# Altium PCB vme64x6U_ctrlc.PcbDoc (part 1 of 16)
Units mm, origin at the board's own origin, x right, y up, seen from the top; angles counter-clockwise.
Board outline 440 x 340 mm, 6 copper layers (TopLayer, PlaneGnd, PlanePwr, MidLayer3, MidLayer4, BottomLayer); 407 components, 1301 nets, 2174 pads, 980 vias.
Unrouted connection lines stored in the file: 264.
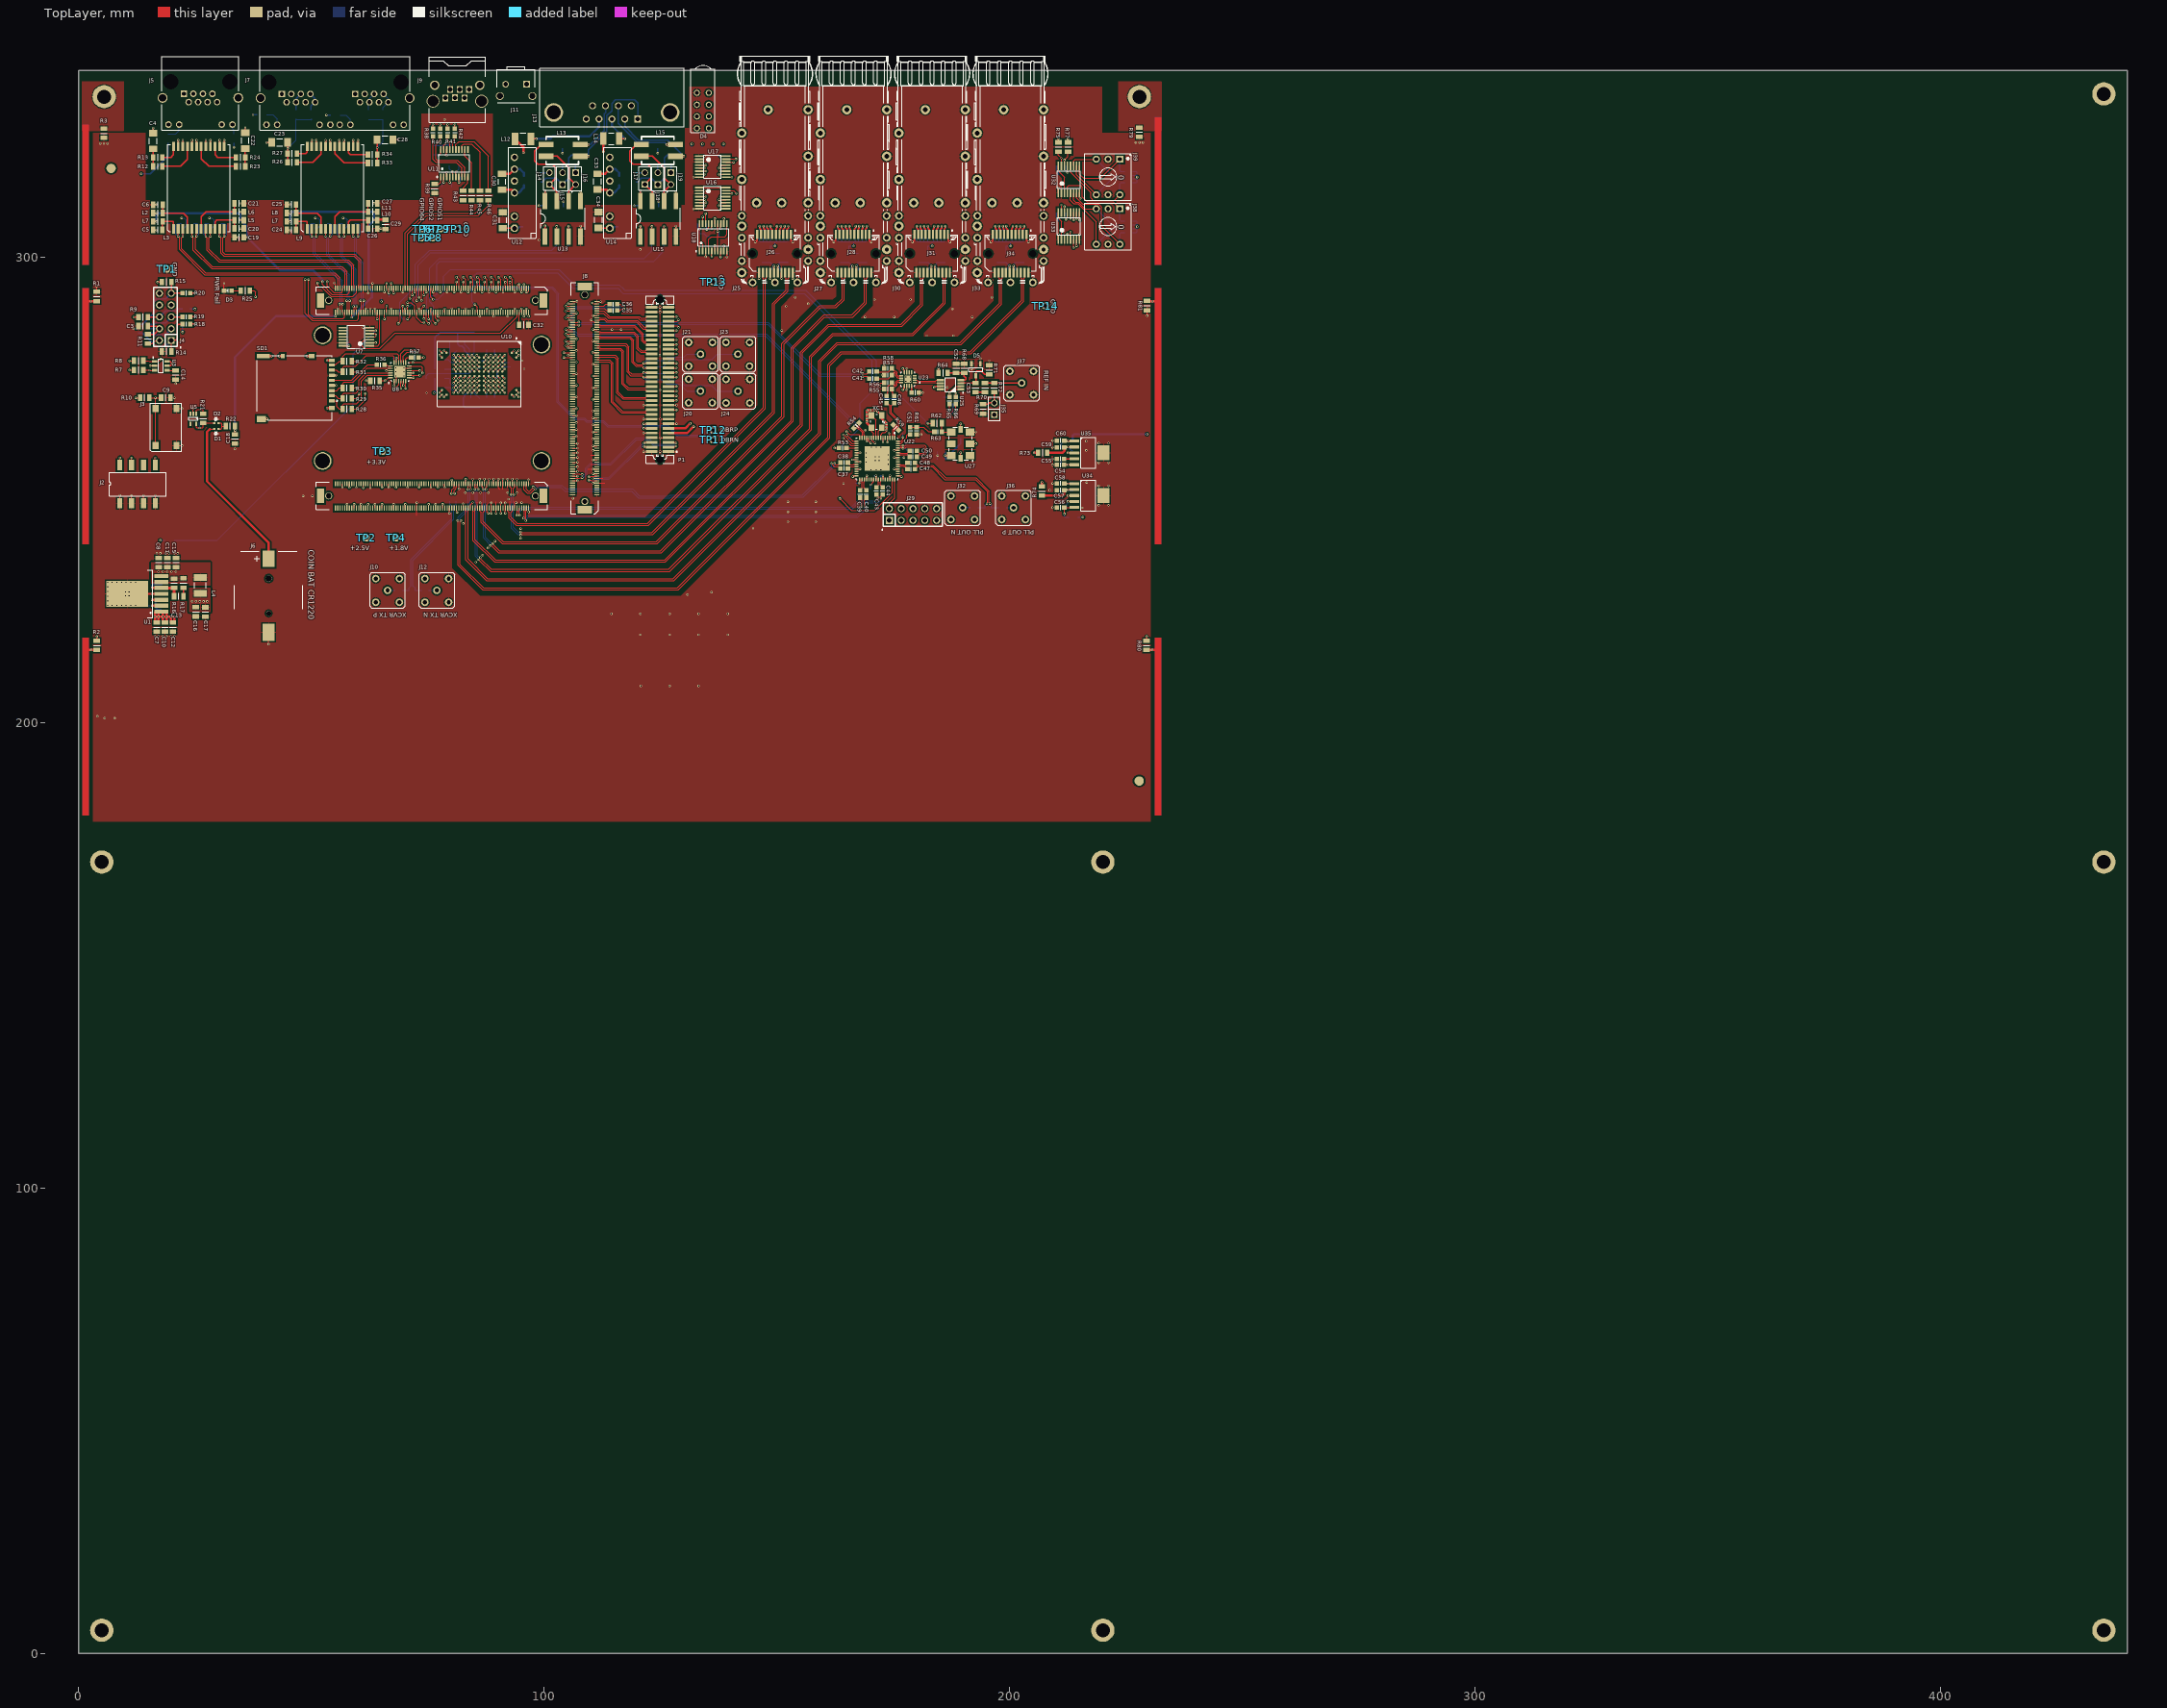
[diagram p0: TopLayer view]
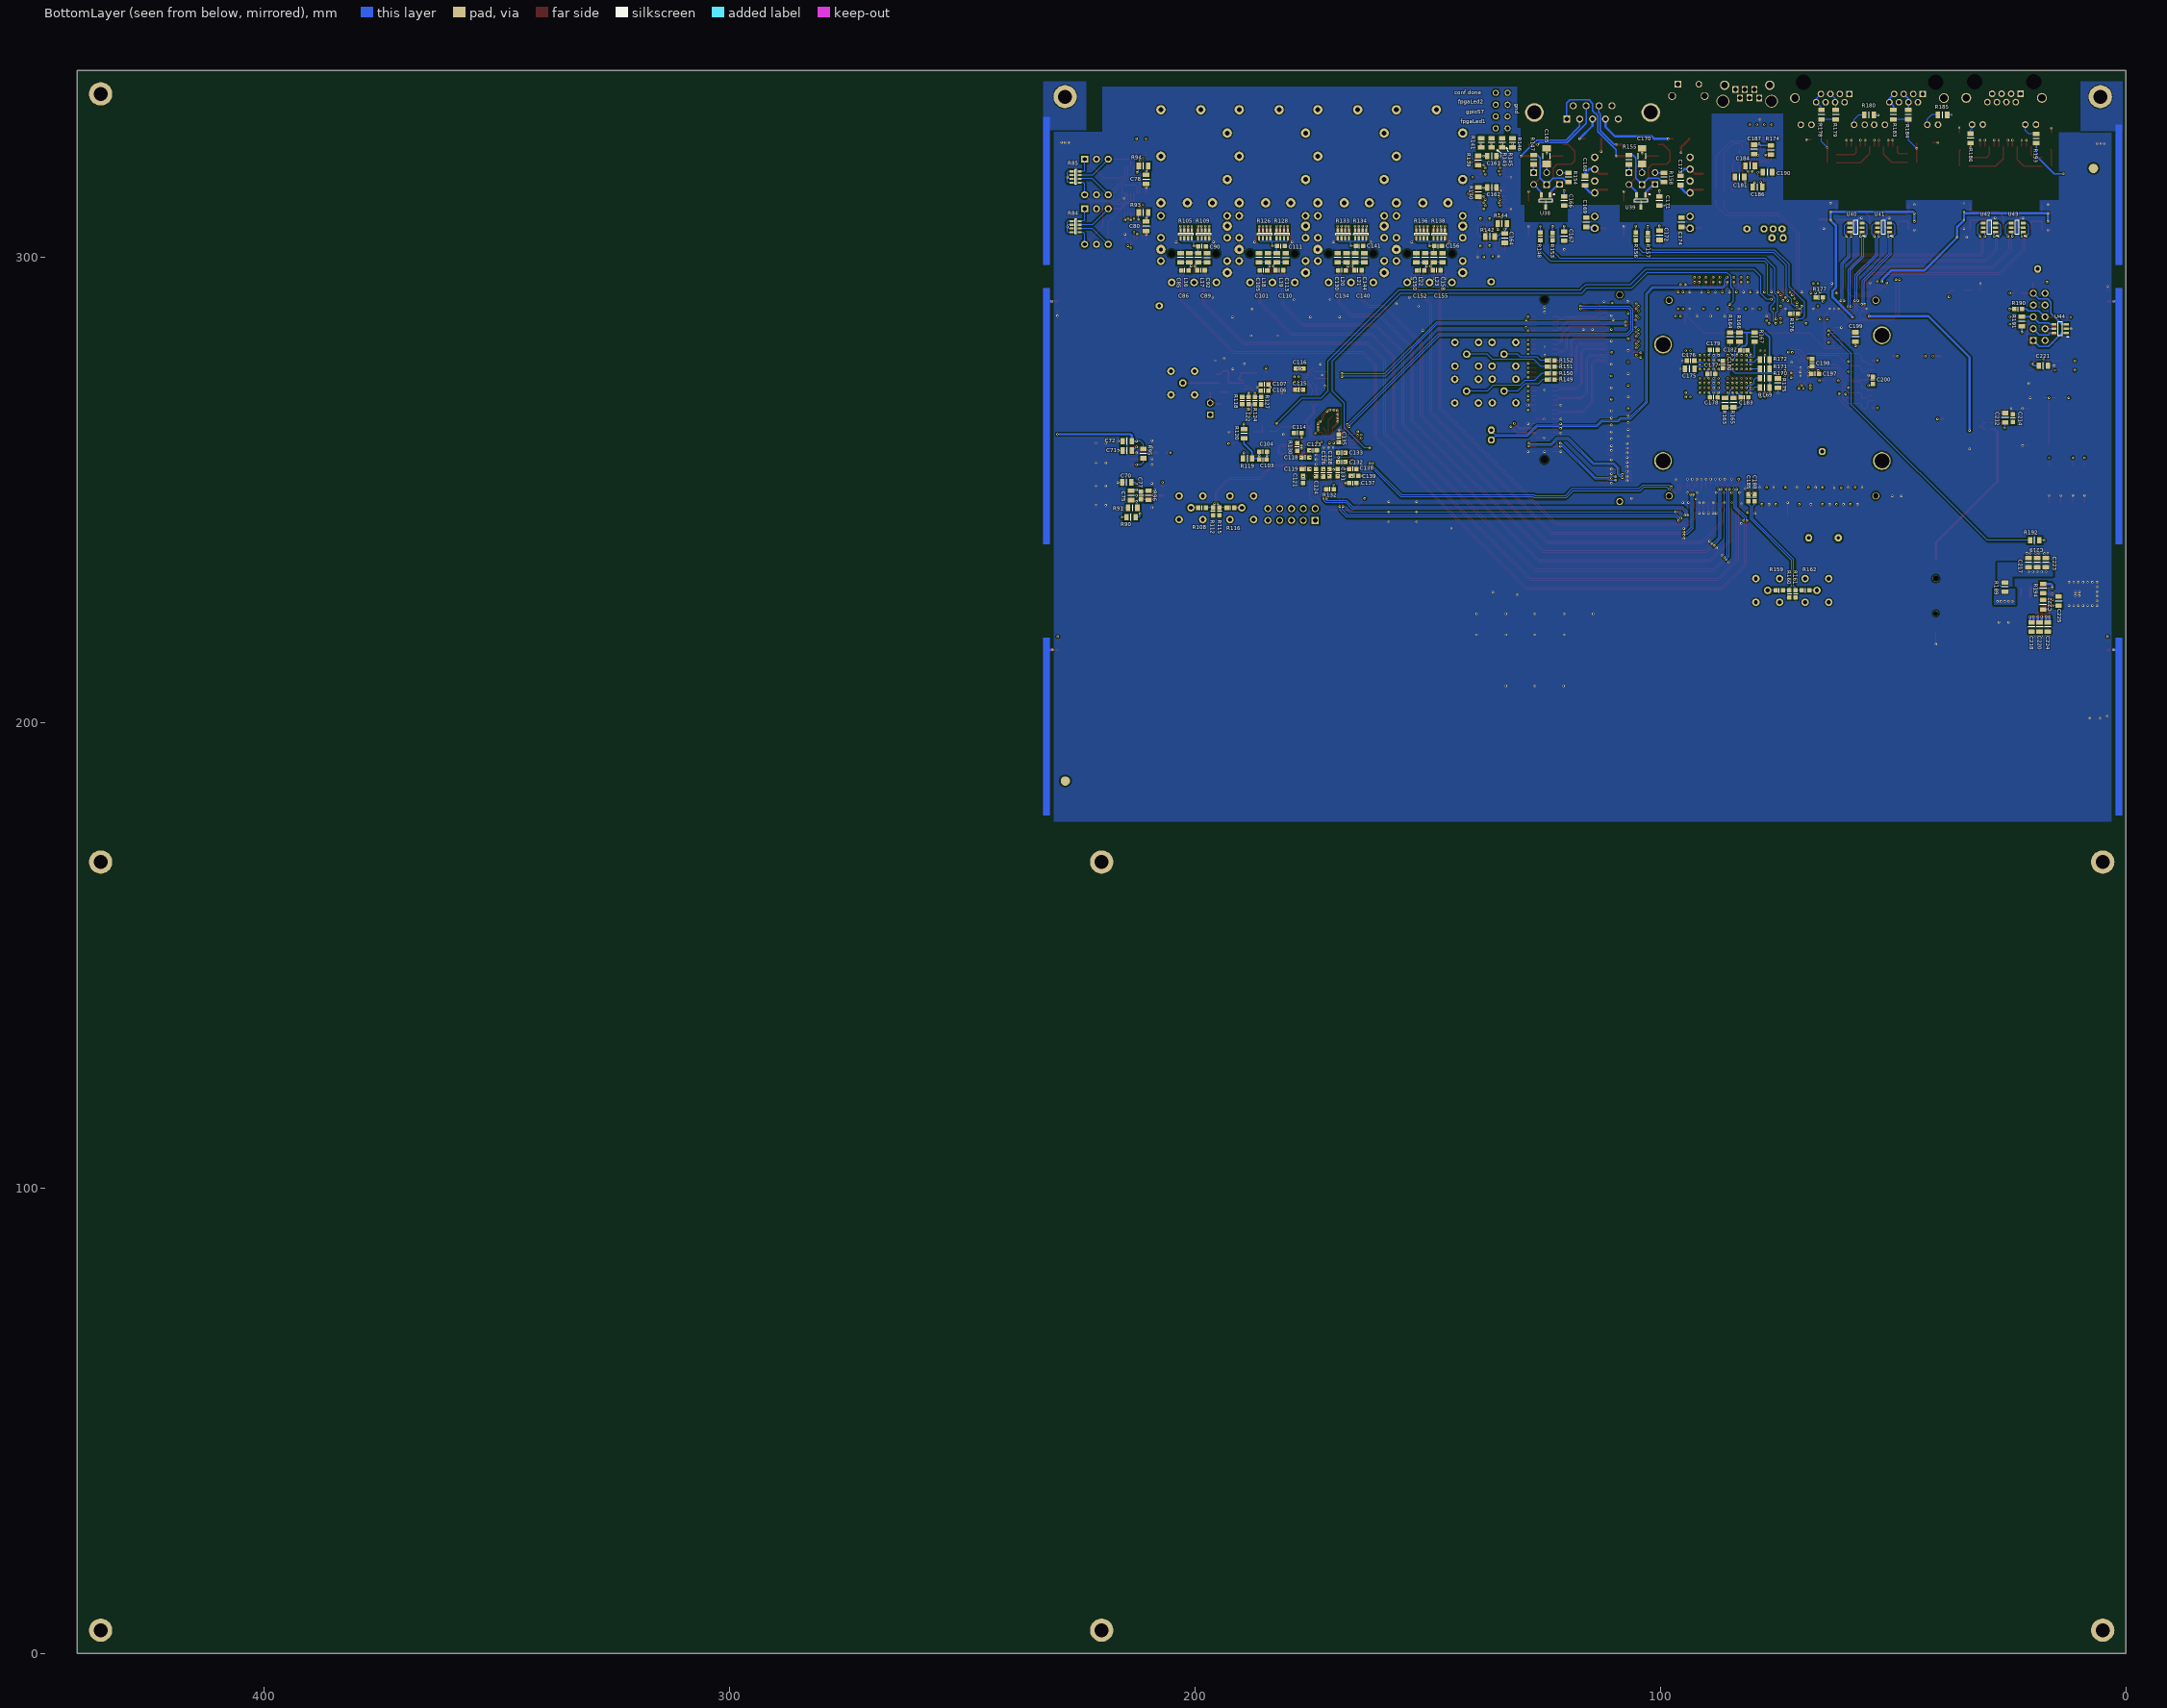
[diagram p1: BottomLayer view, seen from below]
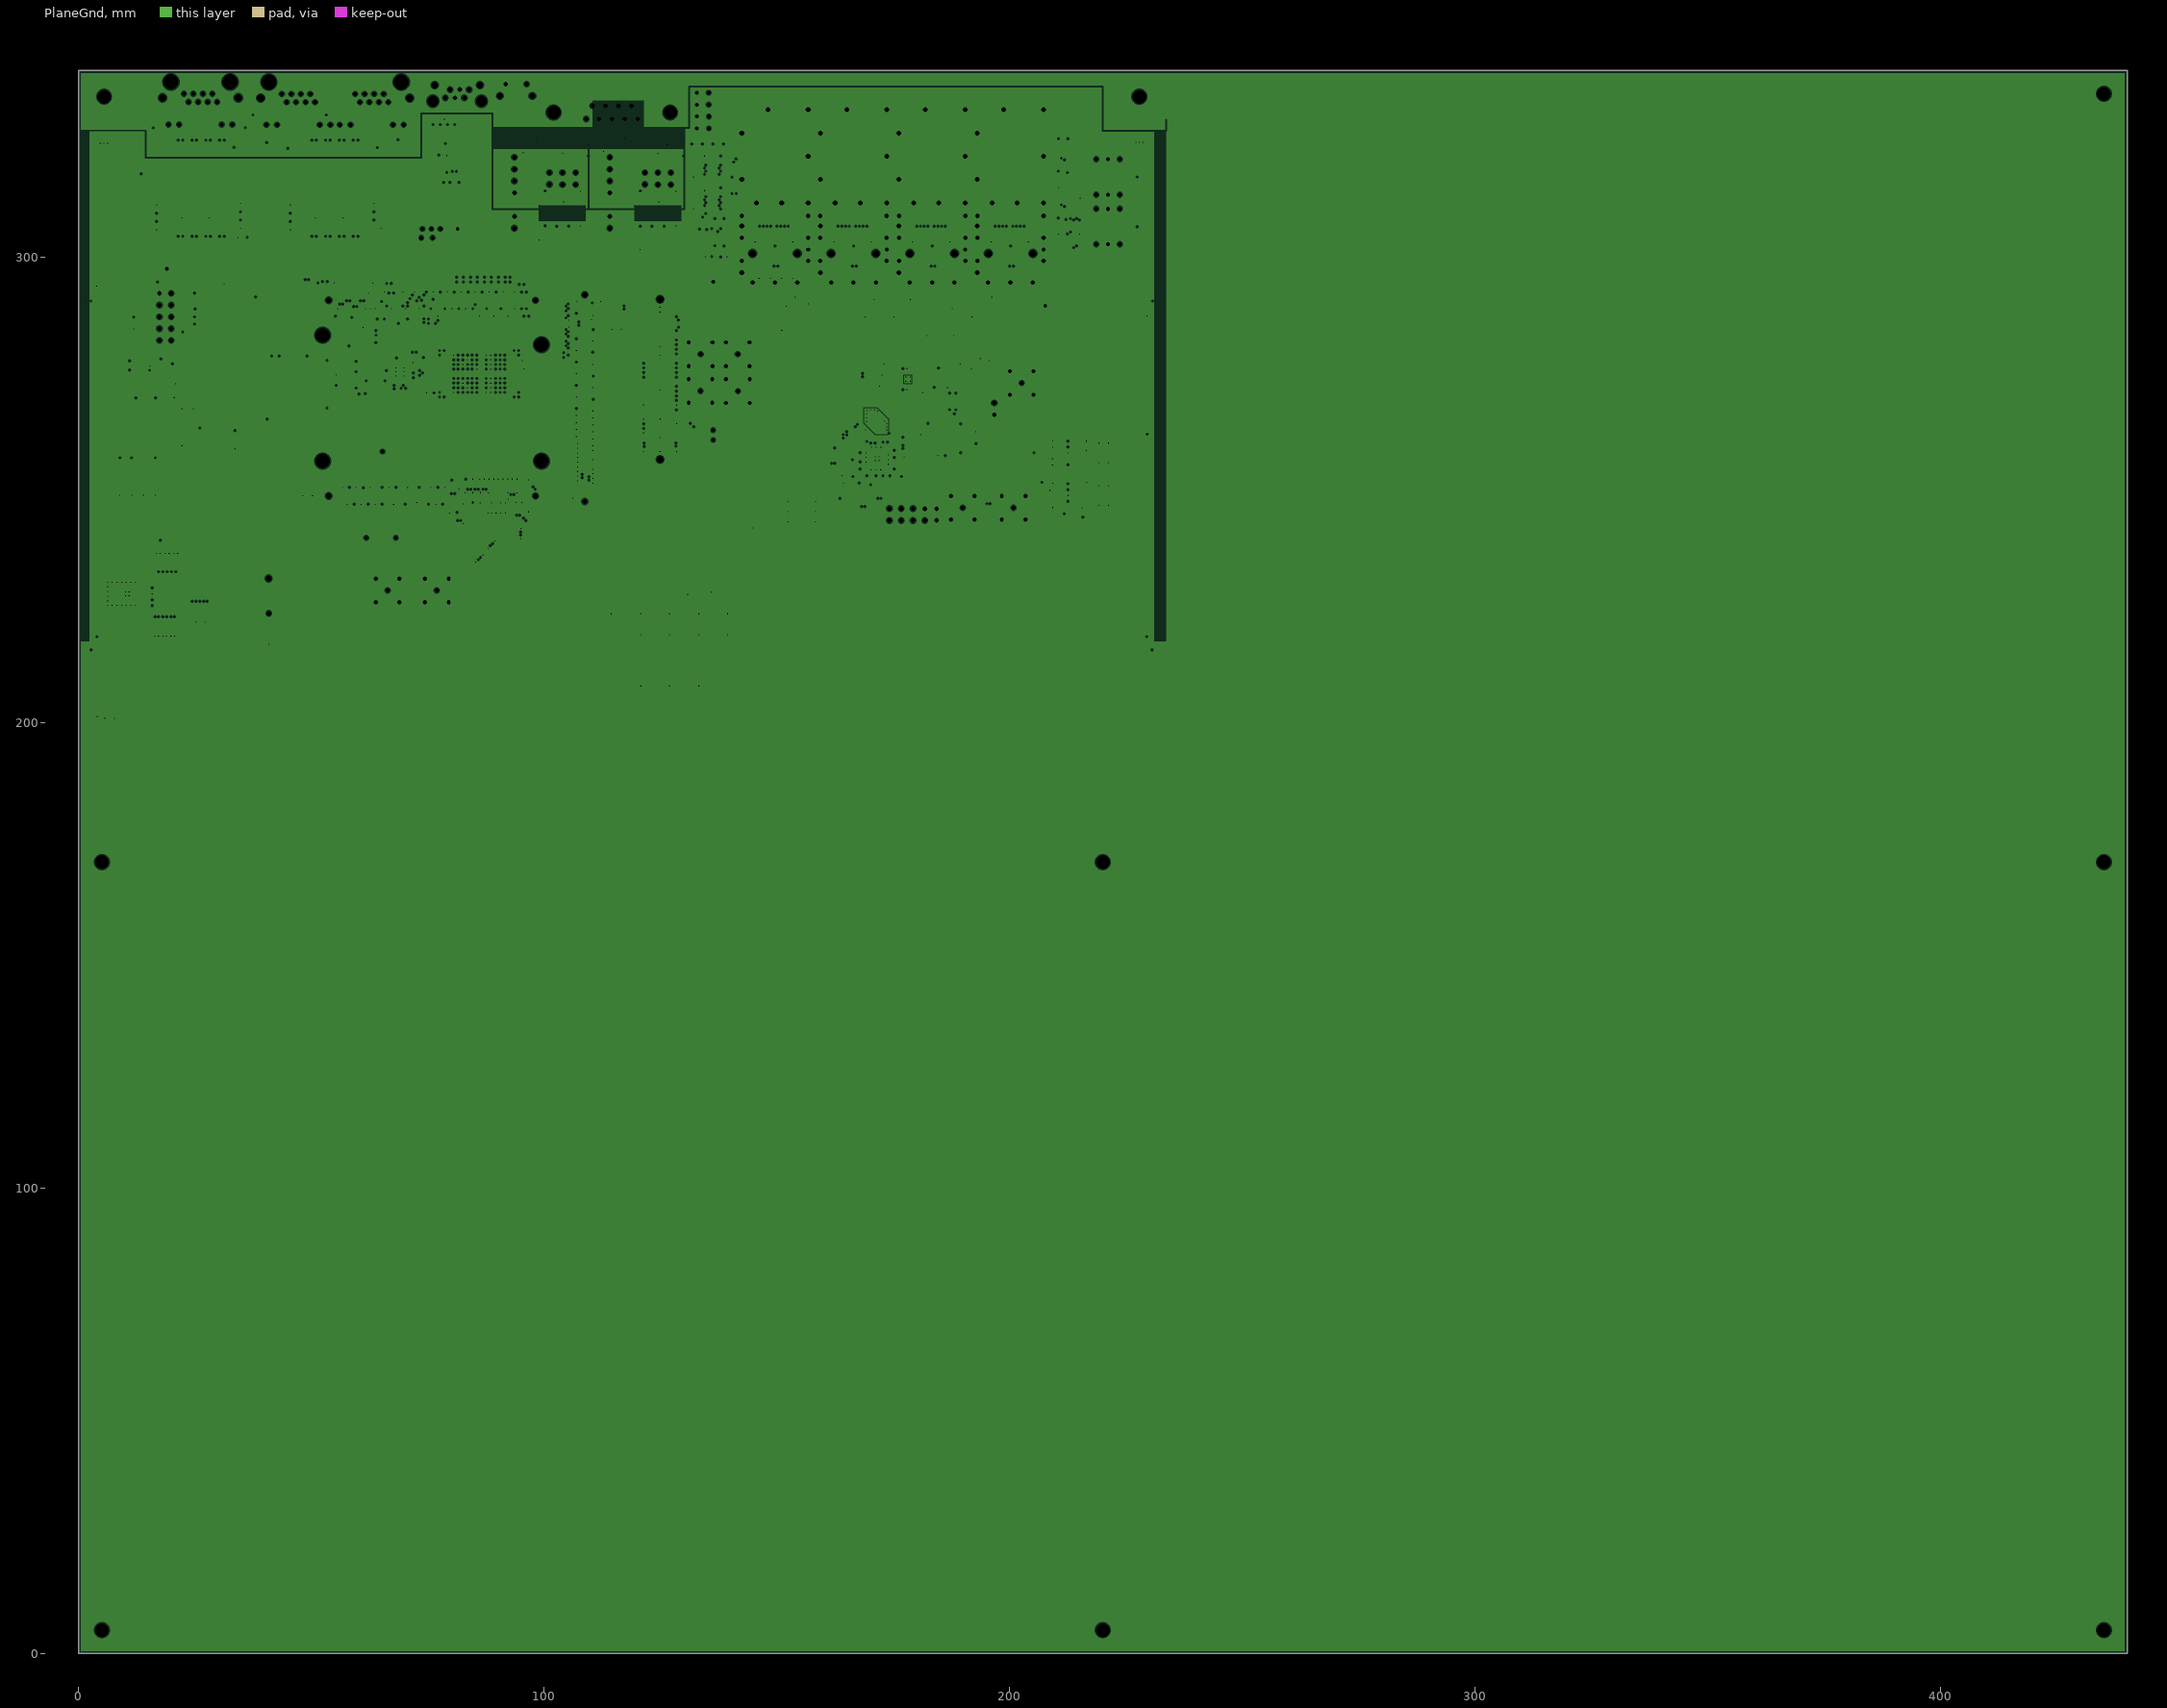
[diagram p2: PlaneGnd, clearances drawn from the general rule]
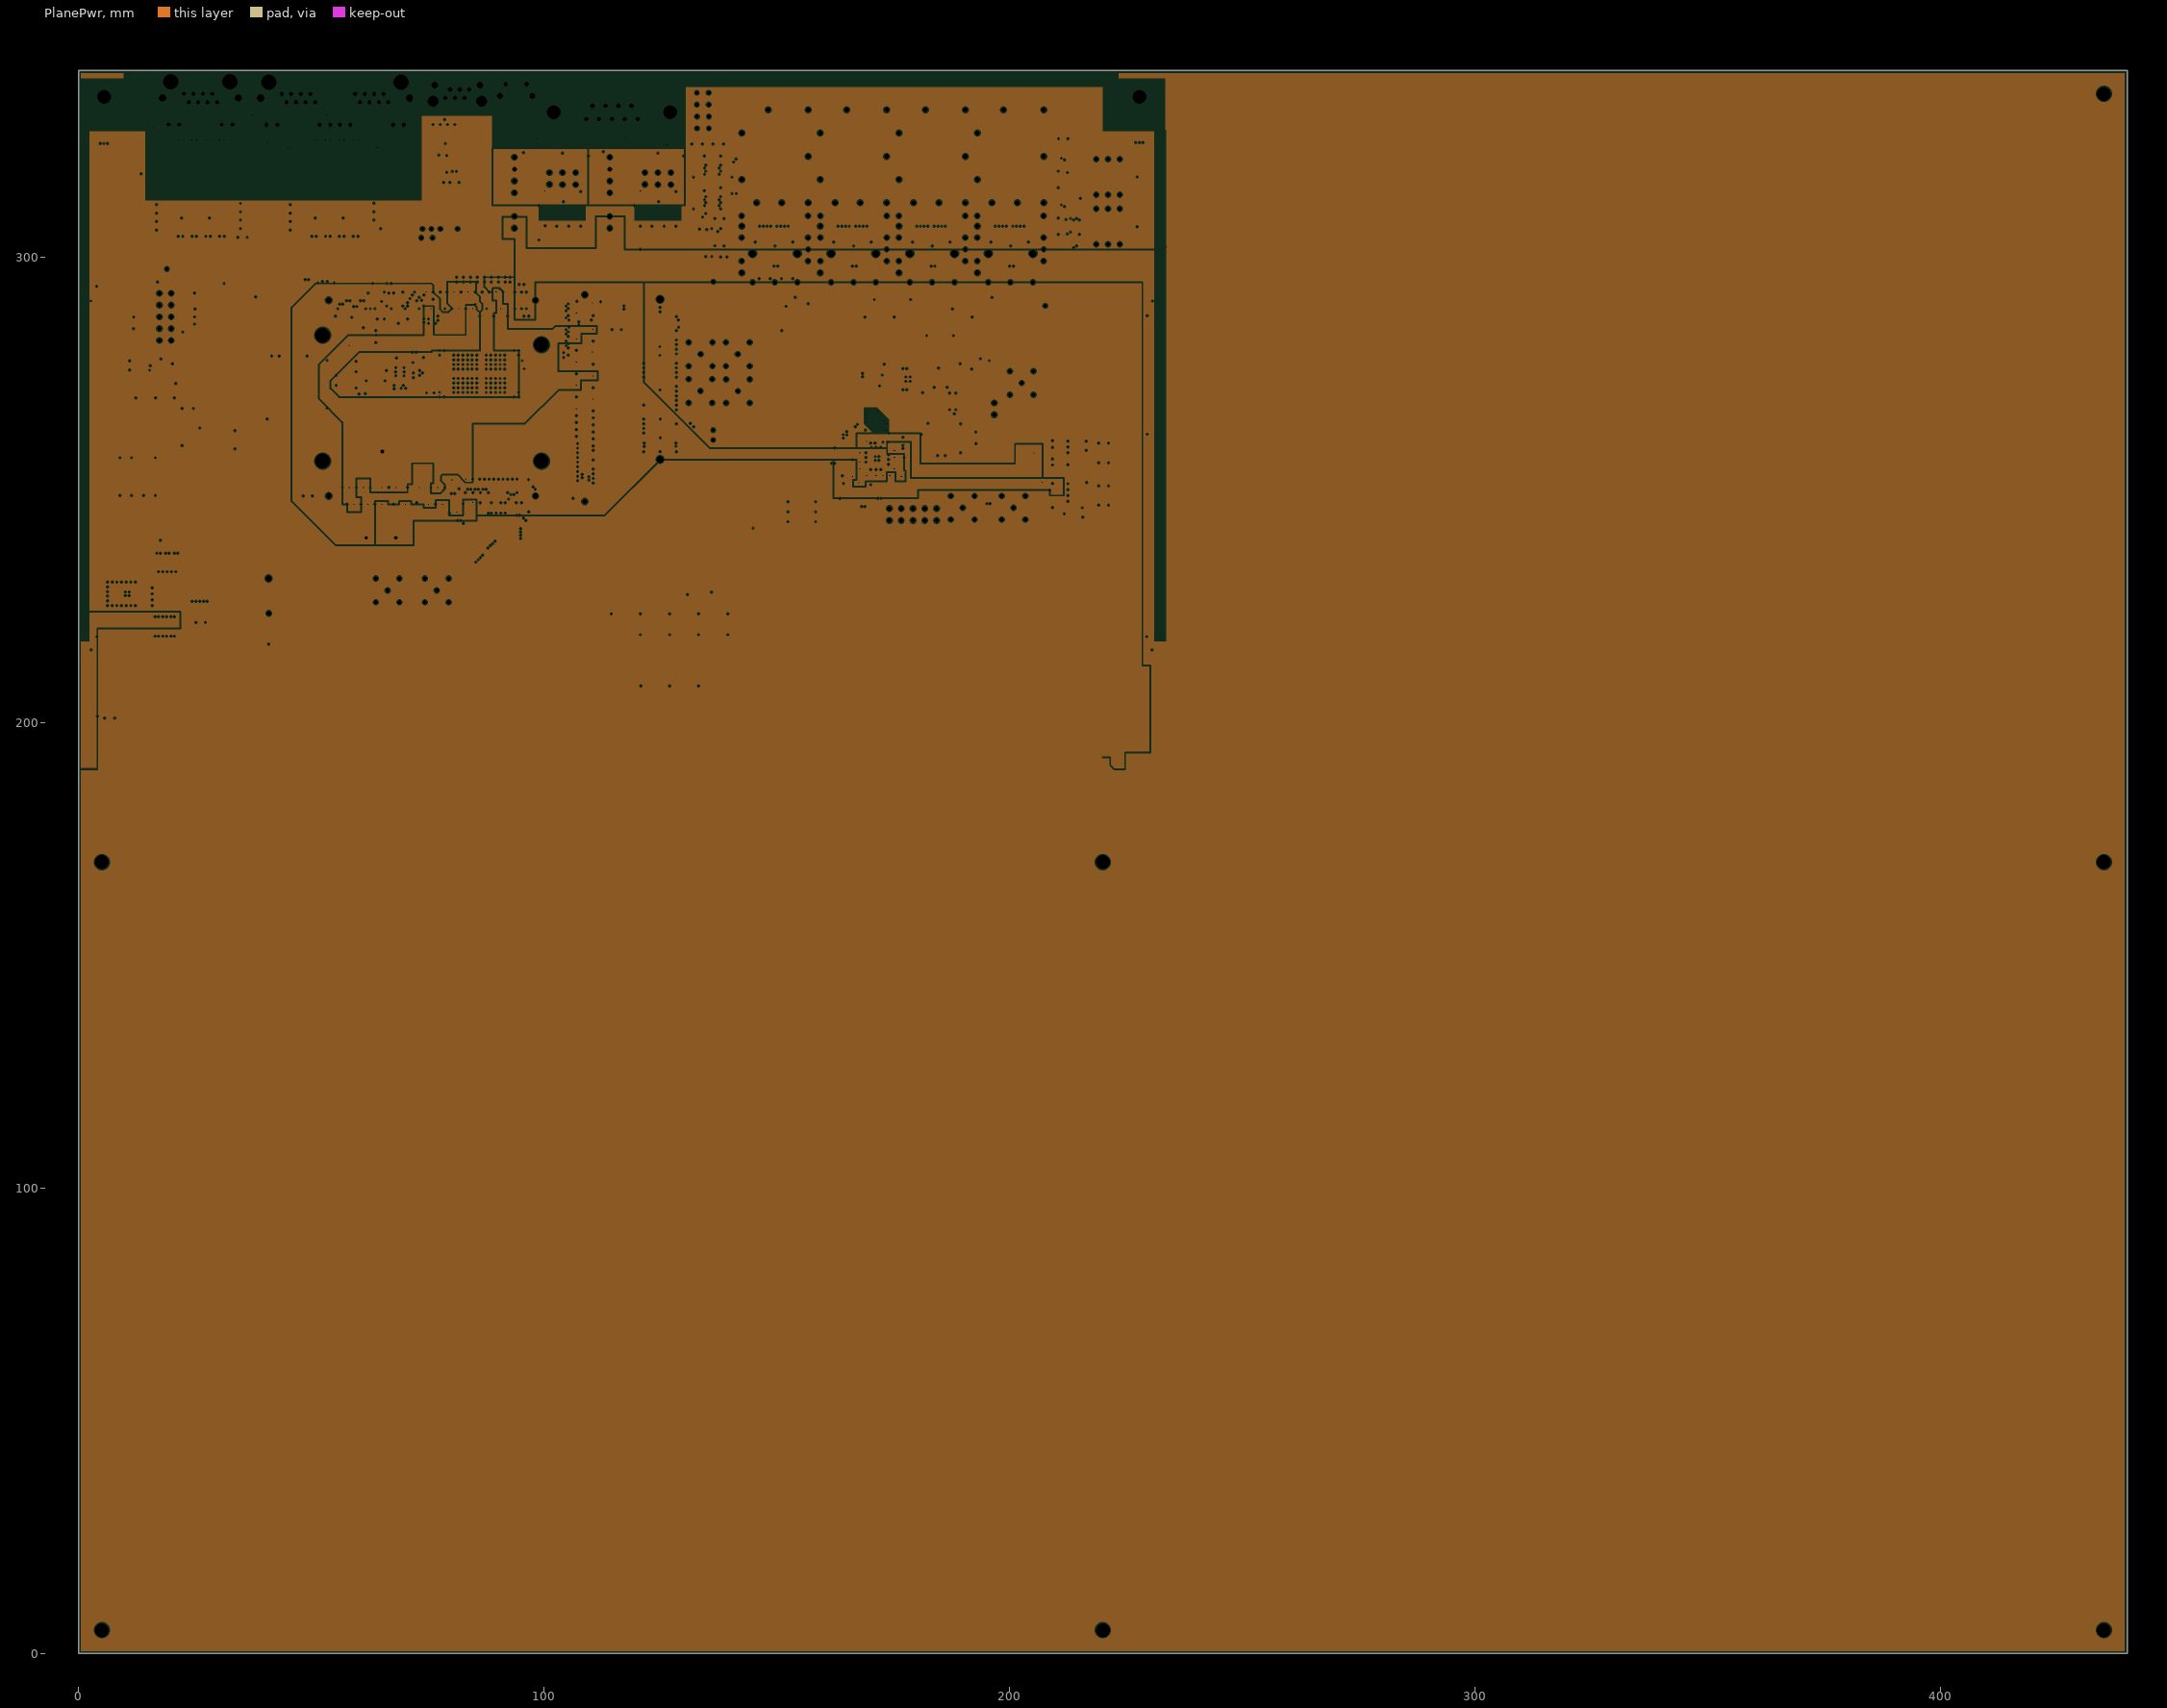
[diagram p3: PlanePwr, clearances drawn from the general rule]